# KiCad board psc_carrier_brd.kicad_pcb (continued)
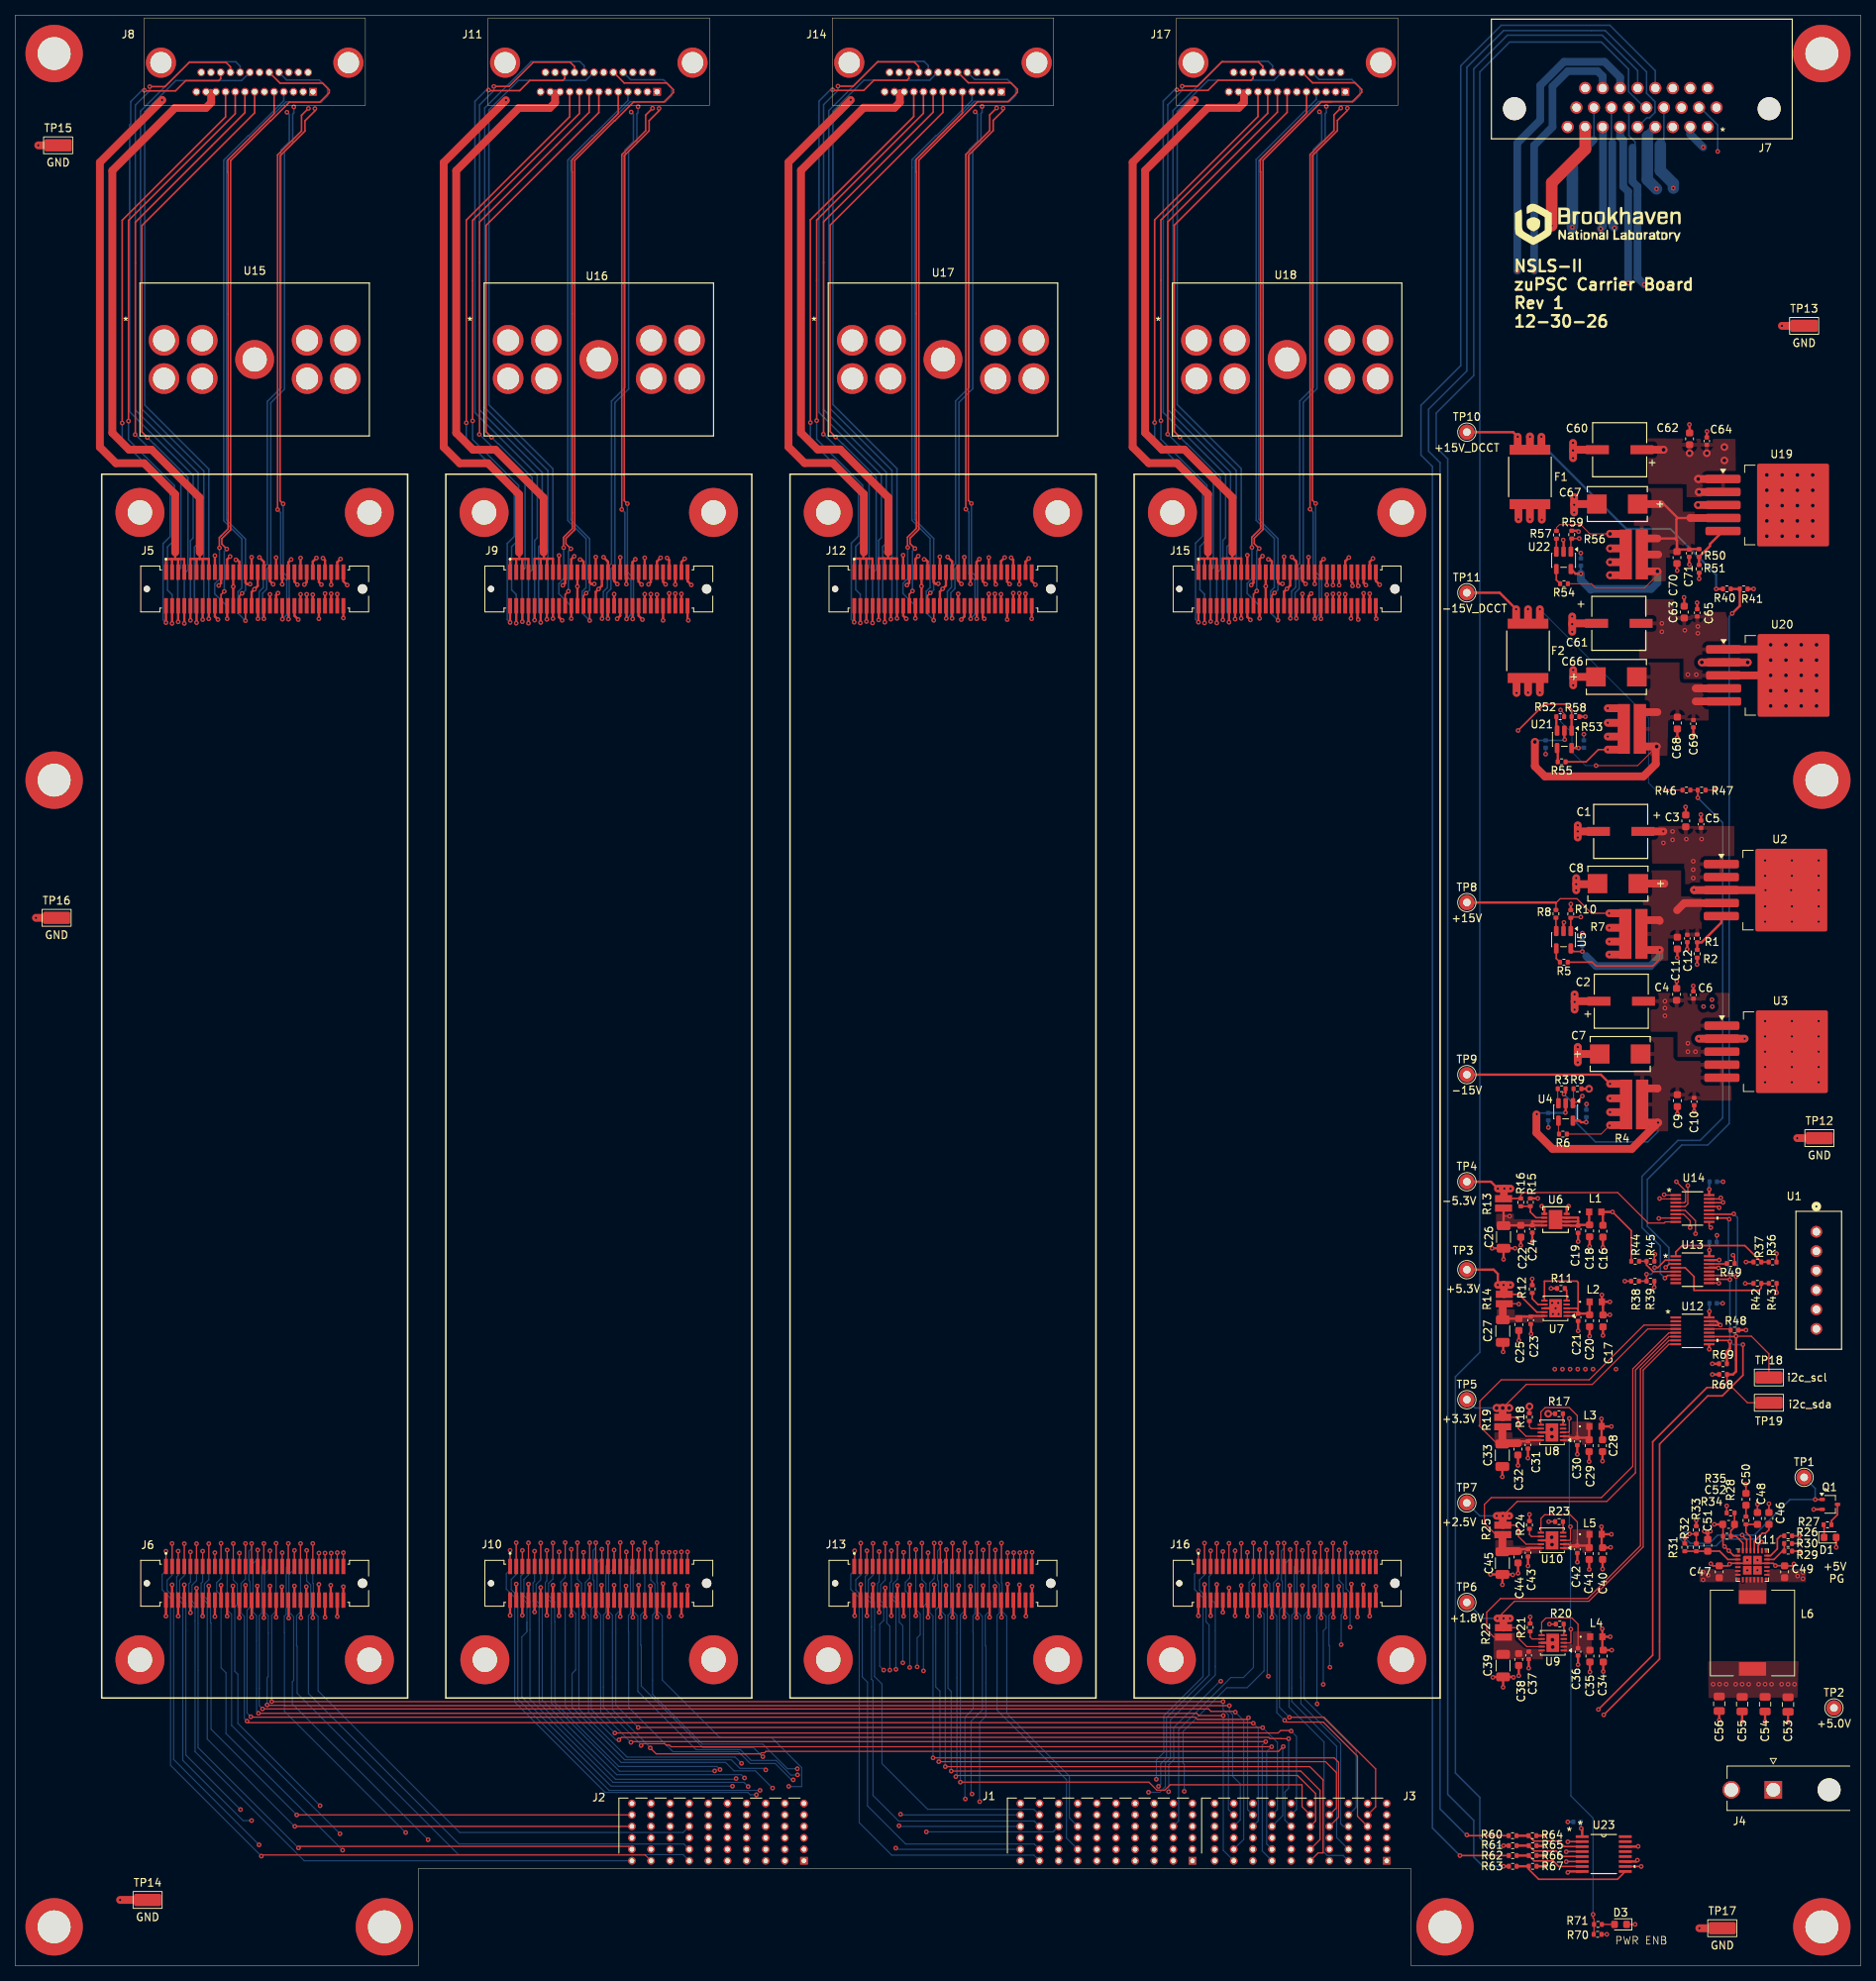
[diagram p0: board, top side]
## Library data of the parts (continued)
R7 R53 R56 = -: Datasheet: KRL6432E-M-R010-F-T1; Description: RES 0.01 OHM 3W 2512 WIDE; Cost: 0.71; MFG: Susumu; MFG_PN: KRL6432E-M-R010-F-T1; ki_fp_filters: RES_6432_SUS RES_6432_SUS-M RES_6432_SUS-L
R9 R10 R48 R49 R58 R59 = -: Description: RES SMD 4.99K OHM 1% 1/10W 0402; Tolerance: 1%; MFG: Panasonic; MFG_PN: ERJ-2RKF4991X; Cost: 0.01; ki_fp_filters: R_*
R11 R17 R20 R23 = -: Description: RES SMD 0 OHM JUMPER 1/10W 0402; Tolerance: 1%; MFG: Panasonic; MFG_PN: ERJ-2GE0R00X; Cost: 0.01; ki_fp_filters: R_*
R12 = -: Description: RES SMD 53.6K OHM 1% 1/10W 0402; Tolerance: 1%; MFG: Panasonic; MFG_PN: ERJ-2RKF5362X; Cost: 0.01; ki_fp_filters: R_*
R13 R14 R19 R22 R25 = -: Description: RES 0.22 OHM 1W 0805 WIDE; MFG: Susumu; MFG_PN: KRL2012E-M-R220-F-T5; Cost: 0.38
R18 = -: Description: RES SMD 33.2K OHM 1% 1/10W 0402; Tolerance: 1%; Cost: 0.01; MFG: Panasonic; MFG_PN: ERJ-2RKF3322X; ki_fp_filters: R_*
R21 = -: Description: RES SMD 18K OHM 1% 1/10W 0402; Tolerance: 1%; Cost: 0.01; MFG: Panasonic; MFG_PN: ERJ-2RKF1802X; ki_fp_filters: R_*
R24 = -: Description: RES SMD 24.9K OHM 1% 1/10W 0402; Tolerance: 1%; MFG: Panasonic; MFG_PN: ERJ-2RKF2492X; Cost: 0.01; ki_fp_filters: R_*
R26 = -: Description: RES SMD 41.2K OHM 1% 1/10W 0402; MFG_PN: ERJ-2RKF4122X; MFG: Panasonic; Cost: 0.01; ki_fp_filters: R_*
R27 = -: Description: RES SMD 1K OHM 1% 1/10W 0402; MFG: Panasonic; MFG_PN: ERJ-2RKF1001X; Cost: 0.01; ki_fp_filters: R_*
R28 = -: Description: RES SMD 8.45K OHM 1% 1/10W 0402; MFG_PN: ERJ-2RKF8451X; MFG: Panasonic; Cost: 0.01; ki_fp_filters: R_*
R29 R35 = -: Description: RES SMD 10.2K OHM 1% 1/10W 0402; MFG_PN: ERJ-2RKF1022X; MFG: Panasonic; Cost: 0.01; ki_fp_filters: R_*
R30 = -: Description: RES SMD 1.13K OHM 1% 1/10W 0402; MFG_PN: ERJ-2RKF1131X; MFG: Panasonic; Cost: 0.01; ki_fp_filters: R_*
R31 = -: Description: RES SMD 4.7K OHM 1% 1/10W 0402; MFG: Panasonic; MFG_PN: ERJ-2RKF4701X; Cost: 0.01; ki_fp_filters: R_*
R32 = -: Description: RES SMD 4.7K OHM 1% 1/10W 0402; ${DNP}: DNP; MFG: Panasonic; MFG_PN: ERJ-2RKF4701X; Cost: 0.01; ki_fp_filters: R_*
R33 = -: Description: RES SMD 0 OHM JUMPER 1/10W 0402; ${DNP}: DNP; MFG: Panasonic; MFG_PN: ERJ-2GE0R00X; Cost: 0.01; ki_fp_filters: R_*
R34 = -: Description: RES SMD 42.2K OHM 1% 1/10W 0402; MFG_PN: ERJ-2RKF4222X; MFG: Panasonic; Cost: 0.01; ki_fp_filters: R_*
R36 R38 R40 R43 R45 R47 = -: Description: RES SMD 9.09K OHM 1% 1/10W 0402; Tolerance: 1%; MFG: Panasonic; MFG_PN: ERJ-2RKF9091X; Cost: 0.01; ki_fp_filters: R_*
R42 R44 R46 = -: Description: RES SMD 9.53K OHM 1% 1/10W 0402; Tolerance: 1%; MFG: Panasonic; MFG_PN: ERJ-2RKF9531X; Cost: 0.01; ki_fp_filters: R_*
R60-R70 = -: Description: RES SMD 9.53K OHM 1% 1/10W 0402; Tolerance: 1%; MFG: Panasonic; MFG_PN: ERJ-2RKF1002X; Cost: 0.01; ki_fp_filters: R_*
R71 = -: Description: RES SMD 160 OHM 1% 1/10W 0402; Tolerance: 1%; Cost: 0.01; MFG: Panasonic; MFG_PN: ERJ-2RKF1600X; ki_fp_filters: R_*
TP1-TP11 = -: ${DNP}: DNP; MFG: N/A; MFG_PN: N/A; ki_fp_filters: Pin* Test*
TP12-TP19 = -: Description: PC TEST POINT NATURAL; MFG: TE; MFG_PN: RCS-0C; Cost: 0.23; ki_fp_filters: Pin* Test*
U1 = -: Datasheet: https://www.te.com/commerce/DocumentDelivery/DDEController?Action=srchrtrv&DocNm=108-1050&DocType=Specification+Or+Standard&DocLang=English&PartCntxt=2300173-1&DocFormat=pdf; Description: CONN HEADER VERT 6POS 2.54MM; Cost: 1.78; MFG: TE; ki_fp_filters: 3-641215-6_TYC
U2 U19 = -: Datasheet: https://www.analog.com/media/en/technical-documentation/data-sheets/1963aff.pdf; Description: IC REG LIN POS ADJ 1.5A DDPAK-5; Cost: 5.57; MFG: Analog Devices; MFG_PN: LT1963AEQ#TRPBF; ki_fp_filters: TO*263*
U3 U20 = -: Datasheet: https://www.analog.com/media/en/technical-documentation/data-sheets/3015fb.pdf; Description: IC REG LINEAR -15V 1.5A DDPAK-5; Cost: 6.46; MFG: Analog Devices; MFG_PN: LT3015EQ-15#PBF; ki_fp_filters: TO*263*
U4 U5 U21 U22 = -: Datasheet: https://www.analog.com/media/en/technical-documentation/data-sheets/6106fb.pdf; Description: IC CURR SENSE 1 CIRCUIT TSOT23-5; Cost: 2.01; MFG: Analog Devices; MFG_PN: LT6106CS5#TRMPBF; ki_fp_filters: SOT?23*
U6 = -: Description: IC REG LINEAR NEG ADJ 1.5A 8-DFN; VENDOR: Linear Technology; MANUFACTURER_PART_NUMBER: lt3015edd#pbf; Cost: 5.79; MFG: Analog Devices; MFG_PN: LT3015EDD#PBF
U7-U10 = -: Datasheet: https://www.analog.com/media/en/technical-documentation/data-sheets/3045fa.pdf; Description: IC REG LIN POS ADJ 500MA 10DFN; Cost: 6.06; MFG: Analog Devices; MFG_PN: LT3045EDD#TRPBF; ki_fp_filters: DFN*1EP*3x3mm*P0.5mm*
U11 = -: Datasheet: https://www.analog.com/media/en/technical-documentation/data-sheets/lt8640s-8643s.pdf; Description: IC REG BUCK ADJ 6A 24LQFN; Cost: 9.56; MFG: Analog Devices; MFG_PN: LT8643SEV#PBF
U12-U14 = -: Description: IC MONITOR OCTAL 16MSOP; VENDOR: Linear Technology; MANUFACTURER_PART_NUMBER: ltc2991cms#pbf; MFG: Analog Devices; MFG_PN: LTC2991CMS#TRPBF
U15-U18 = -: Description: Burden Resistor Daughterboard; MFG: BNL; MFG_PN: BNL
U23 = -: Datasheet: http://www.ti.com/lit/ds/symlink/cd4504b.pdf; Description: IC BUFFER NON-INVERT 6V 16-TSSOP; MFG: TI; MFG_PN: CD74HC4050PWR; Cost: 0.37; ki_fp_filters: DIP*W7.62mm* SOIC*3.9x9.9mm*P1.27mm* TSSOP*4.4x5mm*P0.65mm*

## Footprints (pads in the part's own frame, mm; a bottom-side part is the same pattern mirrored in y, then rotated)
3-641215-6_TYC
  round 1.524 hole 1.016: 1(0,0) 2(2.54,0) 3(5.08,0) 4(7.62,0) 5(10.16,0) 6(12.7,0)
0836149012
  rect 1.016x1.016 hole 0.711: 1(-7.62,0)
  round 1.016 hole 0.711: 2(-6.35,0) 3(-5.08,0) 4(-3.81,0) 5(-2.54,0) 6(-1.27,0) 7(0,0) 8(1.27,0) 9(2.54,0) 10(3.81,0) 11(5.08,0) 12(6.35,0) 13(7.62,0) 14(-6.985,-2.54) 15(-5.715,-2.54) 16(-4.445,-2.54) 17(-3.175,-2.54) 18(-1.905,-2.54) 19(-0.635,-2.54) 20(0.635,-2.54) 21(1.905,-2.54) 22(3.175,-2.54) 23(4.445,-2.54) 24(5.715,-2.54) 25(6.985,-2.54)
  round 3.937 hole 2.794: 26(12.255,-3.81) 27(-12.255,-3.81)
AMPHENOL_61083-061402LF
  round 0.83 hole 0.83 unplated: (-14.1,0)
  round 1.23 hole 1.23 unplated: (14.1,0)
  rect 0.5x2 smd: 1(-11.6,2.2) 2(-11.6,-2.2) 3(-10.8,2.2) 4(-10.8,-2.2) 5(-10,2.2) 6(-10,-2.2) 7(-9.2,2.2) 8(-9.2,-2.2) 9(-8.4,2.2) 10(-8.4,-2.2) 11(-7.6,2.2) 12(-7.6,-2.2) 13(-6.8,2.2) 14(-6.8,-2.2) 15(-6,2.2) 16(-6,-2.2) 17(-5.2,2.2) 18(-5.2,-2.2) 19(-4.4,2.2) 20(-4.4,-2.2) 21(-3.6,2.2) 22(-3.6,-2.2) 23(-2.8,2.2) 24(-2.8,-2.2) 25(-2,2.2) 26(-2,-2.2) 27(-1.2,2.2) 28(-1.2,-2.2) 29(-0.4,2.2) 30(-0.4,-2.2) 31(0.4,2.2) 32(0.4,-2.2) 33(1.2,2.2) 34(1.2,-2.2) 35(2,2.2) 36(2,-2.2) 37(2.8,2.2) 38(2.8,-2.2) 39(3.6,2.2) 40(3.6,-2.2) 41(4.4,2.2) 42(4.4,-2.2) 43(5.2,2.2) 44(5.2,-2.2) 45(6,2.2) 46(6,-2.2) 47(6.8,2.2) 48(6.8,-2.2) 49(7.6,2.2) 50(7.6,-2.2) 51(8.4,2.2) 52(8.4,-2.2) 53(9.2,2.2) 54(9.2,-2.2) 55(10,2.2) 56(10,-2.2) 57(10.8,2.2) 58(10.8,-2.2) 59(11.6,2.2) 60(11.6,-2.2)
burden
  round 4 hole 2.87: 1(-11.858,2.5) 2(-6.858,2.5) 3(6.858,2.5) 4(11.858,2.5) 5(-11.858,-2.5) 6(-6.858,-2.5) 7(6.858,-2.5) 8(11.858,-2.5)
  round 5.08 hole 3.175: 9(0,0)
C_0402_1005Metric
  rrect 0.56x0.62 smd: 1(-0.48,0) 2(0.48,0)
C_0603_1608Metric
  rrect 0.9x0.95 smd: 1(-0.775,0) 2(0.775,0)
C_0805_2012Metric
  rrect 1x1.45 smd: 1(-0.95,0) 2(0.95,0)
C_1206_3216Metric
  rrect 1.15x1.8 smd: 1(-1.475,0) 2(1.475,0)
CAP_EEFK_D8_PAN
  rect 2.997x1.168 smd: 1(-2.908,0) 2(2.908,0)
CAPMP7.6X4.3_4.3N_KEM
  rect 2.56x2.5 smd: 1(-2.672,0) 2(2.672,0)
COILCRAFT_MSS1048
  rect 3.56x1.78 smd: 1(0,4.7) 2(0,-4.7)
CONN_F15-26P135G0-5979_MOL
  round 2.997 hole 2.997 unplated: (-25.273,2.388) (8.026,2.388)
  round 1.6 hole 1.092: 1(0,0) 2(-2.286,0) 3(-4.572,0) 4(-6.858,0) 5(-9.169,0) 6(-11.455,0) 7(-13.741,0) 8(-16.027,0) 9(-18.313,0) 10(1.143,2.54) 11(-1.143,2.54) 12(-3.429,2.54) 13(-5.74,2.54) 14(-8.026,2.54) 15(-10.312,2.54) 16(-12.598,2.54) 17(-14.884,2.54) 18(-17.17,2.54) 19(0,5.08) 20(-2.286,5.08) 21(-4.572,5.08) 22(-6.858,5.08) 23(-9.169,5.08) 24(-11.455,5.08) 25(-13.741,5.08) 26(-16.027,5.08)
DFN-8_DD
  rect 0.787x0.305 smd: 1(-1.46,0.75) 2(-1.46,0.25) 3(-1.46,-0.25) 4(-1.46,-0.75) 5(1.46,-0.75) 6(1.46,-0.25) 7(1.46,0.25) 8(1.46,0.75)
  rect 1.753x2.489 smd: 9(0,0)
DFN-10-1EP_3x3mm_P0.5mm_EP1.65x2.38mm
  rrect 0.67x0.96 smd: (-0.41,0.595) (-0.41,-0.595) (0.41,0.595) (0.41,-0.595)
  rrect 0.85x0.25 smd: 1(-1.45,1) 2(-1.45,0.5) 3(-1.45,0) 4(-1.45,-0.5) 5(-1.45,-1) 6(1.45,-1) 7(1.45,-0.5) 8(1.45,0) 9(1.45,0.5) 10(1.45,1)
  rect 1.65x2.38 smd: 11(0,0)
FUSE_SMDC300F&slash_24-2_LTF
  rect 1.295x5.309 smd: 1(-3.556,0) 2(3.556,0)
IND_LSMG_160808_TAY
  rect 0.813x0.889 smd: 1(-0.8,0) 2(0.8,0)
LED_0603_1608Metric
  rrect 0.875x0.95 smd: 1(-0.787,0) 2(0.787,0)
MOLEX_39301022
  round 3 hole 3 unplated: (0,-7.3)
  rect 2.3x2.3 hole 1.8: 1(0,0)
  round 2.3 hole 1.8: 2(0,5.5)
MountingHole_3.2mm_M3_Pad_TopBottom
  round 3.6 hole 3.2: 1(0,0)
  round 6.4 smd: 1(0,0)
  round 6.4 smd far side: 1(0,0)
MountingHole_4.3mm_M4_DIN965_Pad
  round 7.5 hole 4.3: 1(0,0)
MSOP-16_MS
  rect 1.397x0.279 smd: 1(-2.184,1.751) 2(-2.184,1.251) 3(-2.184,0.751) 4(-2.184,0.25) 5(-2.184,-0.25) 6(-2.184,-0.751) 7(-2.184,-1.251) 8(-2.184,-1.751) 9(2.184,-1.751) 10(2.184,-1.251) 11(2.184,-0.751) 12(2.184,-0.25) 13(2.184,0.25) 14(2.184,0.751) 15(2.184,1.251) 16(2.184,1.751)
PW16
  rect 1.676x0.356 smd: 1(-2.819,2.275) 2(-2.819,1.625) 3(-2.819,0.975) 4(-2.819,0.325) 5(-2.819,-0.325) 6(-2.819,-0.975) 7(-2.819,-1.625) 8(-2.819,-2.275) 9(2.819,-2.275) 10(2.819,-1.625) 11(2.819,-0.975) 12(2.819,-0.325) 13(2.819,0.325) 14(2.819,0.975) 15(2.819,1.625) 16(2.819,2.275)
QFN-24-4EP_4x4mm_P0.5mm_EP1.125x1.125mm
  rect 0.375x0.375 smd: (-1.812,1.812) (-1.812,-1.812) (1.812,1.812) (1.812,-1.812)
  rect 0.7x0.25 smd: 1(-1.9,1.25) 2(-1.9,0.75) 3(-1.9,0.25) 4(-1.9,-0.25) 5(-1.9,-0.75) 6(-1.9,-1.25) 13(1.9,-1.25) 14(1.9,-0.75) 15(1.9,-0.25) 16(1.9,0.25) 17(1.9,0.75) 18(1.9,1.25)
  rect 0.25x0.7 smd: 7(-1.25,-1.9) 8(-0.75,-1.9) 9(-0.25,-1.9) 10(0.25,-1.9) 11(0.75,-1.9) 12(1.25,-1.9) 19(1.25,1.9) 20(0.75,1.9) 21(0.25,1.9) 22(-0.25,1.9) 23(-0.75,1.9) 24(-1.25,1.9)
  rrect 1.125x1.125 smd: 25(-0.662,0.662)
  rect 1.125x1.125 smd: 26(0.662,0.662) 27(-0.662,-0.662) 28(0.662,-0.662)
R_0402_1005Metric
  rrect 0.54x0.64 smd: 1(-0.51,0) 2(0.51,0)
RES_6432_SUS
  rect 1.603x6.5 smd: 1(-1.052,0) 2(1.052,0)
RESC1220X70N
  rect 0.94x2.22 smd: 1(-0.615,0) 2(0.615,0)
SOT-23-5
  rrect 1.325x0.6 smd: 1(-1.137,0.95) 2(-1.137,0) 3(-1.137,-0.95) 4(1.137,-0.95) 5(1.137,0.95)
SOT-323_SC-70
  rrect 0.7x0.45 smd: 1(-1,0.65) 2(-1,-0.65) 3(1,0)
TE_6469028-1
  rect 1x1 hole 0.61: A1(0,0)
  round 1 hole 0.61: A2(-2.5,0) A3(-5,0) A4(-7.5,0) A5(-10,0) A6(-12.5,0) A7(-15,0) A8(-17.5,0) A9(-20,0) A10(-22.5,0) B1(0,1.5) B2(-2.5,1.5) B3(-5,1.5) B4(-7.5,1.5) B5(-10,1.5) B6(-12.5,1.5) B7(-15,1.5) B8(-17.5,1.5) B9(-20,1.5) B10(-22.5,1.5) BG1(0,3) BG2(-2.5,3) BG3(-5,3) BG4(-7.5,3) BG5(-10,3) BG6(-12.5,3) BG7(-15,3) BG8(-17.5,3) BG9(-20,3) BG10(-22.5,3) C1(0,4.5) C2(-2.5,4.5) C3(-5,4.5) C4(-7.5,4.5) C5(-10,4.5) C6(-12.5,4.5) C7(-15,4.5) C8(-17.5,4.5) C9(-20,4.5) C10(-22.5,4.5) D1(0,6) D2(-2.5,6) D3(-5,6) D4(-7.5,6) D5(-10,6) D6(-12.5,6) D7(-15,6) D8(-17.5,6) D9(-20,6) D10(-22.5,6) DG1(0,7.5) DG2(-2.5,7.5) DG3(-5,7.5) DG4(-7.5,7.5) DG5(-10,7.5) DG6(-12.5,7.5) DG7(-15,7.5) DG8(-17.5,7.5) DG9(-20,7.5) DG10(-22.5,7.5)
TestPoint_RCS-0C
  rrect 3.55x1.6 smd: 1(0,0)
TestPoint_THTPad_D2.0mm_Drill1.0mm
  round 2 hole 1: 1(0,0)
TO-263-5_TabPin3
  rrect 4.55x5.25 smd: (-0.925,2.775) (-0.925,-2.775) (3.925,2.775) (3.925,-2.775)
  rrect 4.6x1.1 smd: 1(-7.65,3.4) 2(-7.65,1.7) 3(-7.65,0) 4(-7.65,-1.7) 5(-7.65,-3.4)
  rrect 9.4x10.8 smd: 3(1.5,0)

## Nets
+1.8V: J6.6 J6.8 J6.10 J10.6 J10.8 J10.10 J13.6 J13.8 J13.10 J16.6 J16.8 J16.10 R22.2 TP6.1 U9.9 U12.8
+2.5V: J6.56 J6.58 J6.60 J10.56 J10.58 J10.60 J13.56 J13.58 J13.60 J16.56 J16.58 J16.60 R25.2 TP7.1 U10.9 U12.6
+3.3V: C57.1 C58.1 C59.1 C75.1 J6.22 J6.24 J6.26 J10.22 J10.24 J10.26 J13.22 J13.24 J13.26 J16.22 J16.24 J16.26 R19.2 R48.1 R49.1 R68.1 R69.1 TP5.1 U8.9 U12.4 U12.16 U13.16 U14.16 U23.1
+5.0V: C14.1 C28.1 C34.1 C40.1 C52.1 C53.1 C54.1 C55.1 C56.1 C73.1 J4.1 J6.42 J6.44 J6.46 J10.42 J10.44 J10.46 J13.42 J13.44 J13.46 J16.42 J16.44 J16.46 L3.2 L4.2 L5.2 L6.2 R34.1 TP2.1 U4.5 U11.1 U21.5
+5.3V: J5.43 J5.45 J9.43 J9.45 J12.43 J12.45 J15.43 J15.45 R14.2 TP3.1 U7.9 U14.6
+15V: C17.1 J5.27 J5.29 J9.27 J9.29 J12.27 J12.29 J15.27 J15.29 L2.2 R7.1 R8.1 R38.1 TP8.1
+15V_DCCT: F1.2 J7.1 J7.9 R40.1 TP10.1
+18V: C1.1 C3.1 C5.1 C47.1 C49.1 C60.1 C62.1 C64.1 D1.2 R29.1 R36.1 R43.2 R45.2 R47.2 U1.1 U2.1 U2.2 U11.5 U11.6 U11.13 U11.14 U19.1 U19.2
-5.3V: J5.51 J5.53 J9.51 J9.53 J12.51 J12.53 J15.51 J15.53 R13.2 R15.1 TP4.1 U14.8
-15V: C16.1 J5.35 J5.37 J9.35 J9.37 J12.35 J12.37 J15.35 J15.37 L1.2 R4.1 R6.1 R44.1 TP9.1
-15V_DCCT: F2.2 J7.19 J7.26 R46.1 TP11.1
-18V: C2.2 C4.1 C6.1 C61.2 C63.1 C65.1 R42.1 U1.3 U3.1 U3.3 U20.1 U20.3
/regulators/+1.8V regulator/Vin_1.8v: C35.1 C36.1 L4.1 U9.1 U9.2 U9.6
/regulators/+2.5V regulator/Vin_2.5v: C41.1 C42.1 L5.1 U10.1 U10.2 U10.6
/regulators/+3.3V regulator/Vin_3.3v: C29.1 C30.1 L3.1 U8.1 U8.2 U8.6
/regulators/+5VA regulator/+5.3Vout: C23.1 C25.1 C27.1 R14.1 U7.10 U14.5
/regulators/+5VA regulator/+15Vin: C20.1 C21.1 L2.1 U7.1 U7.2 U7.3 U7.6
/regulators/+5VA regulator/-5.3Vout: C22.1 C24.1 C26.1 R13.1 U6.7 U6.8 U14.7
/regulators/+5VA regulator/-15Vin: C18.1 C19.1 L1.1 U6.1 U6.2 U6.3 U6.9
/regulators/+5VD regulator/+5vrego: L6.1 U11.8 U11.9 U11.10 U11.11 U11.12
/regulators/+15v -15v DCCT Regulators/+15V_DCCT_REG: C67.1 C70.1 C71.1 C74.1 R50.1 R54.1 R56.1 U19.4 U22.5
/regulators/+15v -15v DCCT Regulators/+15V_DCCT_uf: F1.1 R56.2 R57.1
/regulators/+15v -15v DCCT Regulators/-15V_DCCT_REG: C66.2 C68.1 C69.1 C72.1 R52.1 R53.2 U20.4 U20.5 U21.2
/regulators/+15v -15v DCCT Regulators/-15V_DCCT_uf: F2.1 R53.1 R55.1
/regulators/+15v -15v PSC Regulators/+15V_PSC_REG: C8.1 C11.1 C12.1 C15.1 R1.1 R5.1 R7.2 U2.4 U5.5
/regulators/+15v -15v PSC Regulators/-15V_PSC_REG: C7.2 C9.1 C10.1 C13.1 R3.1 R4.2 U3.4 U3.5 U4.2
GND: C1.2 C2.1 C3.2 C4.2 C5.2 C6.2 C7.1 C8.2 C9.2 C10.2 C11.2 C12.2 C13.2 C14.2 C15.2 C16.2 C17.2 C18.2 C19.2 C20.2 C21.2 C22.2 C23.2 C24.2 C25.2 C26.2 C27.2 C28.2 C29.2 C30.2 C31.2 C32.2 C33.2 C34.2 C35.2 C36.2 C37.2 C38.2 C39.2 C40.2 C41.2 C42.2 C43.2 C44.2 C45.2 C46.2 C47.2 C48.2 C49.2 C50.2 C51.2 C53.2 C54.2 C55.2 C56.2 C57.2 C58.2 C59.2 C60.2 C61.1 C62.2 C63.2 C64.2 C65.2 C66.1 C67.2 C68.2 C69.2 C70.2 C71.2 C72.2 C73.2 C74.2 C75.2 D3.1 J1.BG1 J1.BG2 J1.BG3 J1.BG4 J1.BG5 J1.BG6 J1.BG7 J1.BG8 J1.BG9 J1.BG10 J1.DG1 J1.DG2 J1.DG3 J1.DG4 J1.DG5 J1.DG6 J1.DG7 J1.DG8 J1.DG9 J1.DG10 J2.BG1 J2.BG2 J2.BG3 J2.BG4 J2.BG5 J2.BG6 J2.BG7 J2.BG8 J2.BG9 J2.BG10 J2.DG1 J2.DG2 J2.DG3 J2.DG4 J2.DG5 J2.DG6 J2.DG7 J2.DG8 J2.DG9 J2.DG10 J3.BG1 J3.BG2 J3.BG3 J3.BG4 J3.BG5 J3.BG6 J3.BG7 J3.BG8 J3.BG9 J3.BG10 J3.DG1 J3.DG2 J3.DG3 J3.DG4 J3.DG5 J3.DG6 J3.DG7 J3.DG8 J3.DG9 J3.DG10 J4.2 J5.17 J5.18 J5.19 J5.21 J5.23 J5.24 J5.25 J5.30 J5.31 J5.33 J5.36 J5.38 J5.39 J5.41 J5.44 J5.46 J5.47 J5.49 J5.52 J5.54 J5.55 J5.57 J5.59 J5.60 J6.2 J6.4 J6.12 J6.14 J6.16 J6.17 J6.18 J6.20 J6.25 J6.28 J6.30 J6.32 J6.34 J6.36 J6.38 J6.39 J6.40 J6.48 J6.50 J6.51 J6.52 J6.53 J6.54 J6.55 J6.57 J6.59 J7.10 J7.18 J9.17 J9.18 J9.19 J9.21 J9.23 J9.24 J9.25 J9.30 J9.31 J9.33 J9.36 J9.38 J9.39 J9.41 J9.44 J9.46 J9.47 J9.49 J9.52 J9.54 J9.55 J9.57 J9.59 J9.60 J10.2 J10.4 J10.12 J10.14 J10.16 J10.17 J10.18 J10.20 J10.25 J10.28 J10.30 J10.32 J10.34 J10.36 J10.38 J10.39 J10.40 J10.48 J10.50 J10.51 J10.52 J10.53 J10.54 J10.55 J10.57 J10.59 J12.17 J12.18 J12.19 J12.21 J12.23 J12.24 J12.25 J12.30 J12.31 J12.33 J12.36 J12.38 J12.39 J12.41 J12.44 J12.46 J12.47 J12.49 J12.52 J12.54 J12.55 J12.57 J12.59 J12.60 J13.2 J13.4 J13.12 J13.14 J13.16 J13.17 J13.18 J13.20 J13.25 J13.28 J13.30 J13.32 J13.34 J13.36 J13.38 J13.39 J13.40 J13.48 J13.50 J13.51 J13.52 J13.53 J13.54 J13.55 J13.57 J13.59 J15.17 J15.18 J15.19 J15.21 J15.23 J15.24 J15.25 J15.30 J15.31 J15.33 J15.36 J15.38 J15.39 J15.41 J15.44 J15.46 J15.47 J15.49 J15.52 J15.54 J15.55 J15.57 J15.59 J15.60 J16.2 J16.4 J16.12 J16.14 J16.16 J16.17 J16.18 J16.20 J16.25 J16.28 J16.30 J16.32 J16.34 J16.36 J16.38 J16.39 J16.40 J16.48 J16.50 J16.51 J16.52 J16.53 J16.54 J16.55 J16.57 J16.59 MT1.1 MT2.1 MT3.1 MT4.1 MT5.1 MT6.1 MT7.1 MT8.1 MT9.1 MT10.1 MT11.1 MT12.1 MT13.1 MT14.1 MT15.1 MT16.1 MT17.1 MT18.1 MT19.1 MT20.1 MT21.1 MT22.1 MT23.1 MT24.1 Q1.2 R2.2 R9.2 R10.2 R11.2 R12.2 R16.2 R17.2 R18.2 R20.2 R21.2 R23.2 R24.2 R26.2 R30.2 R32.2 R35.2 R37.2 R39.2 R41.2 R51.2 R58.2 R59.2 R64.2 R65.2 R66.2 R67.2 R70.2 TP12.1 TP13.1 TP14.1 TP15.1 TP16.1 TP17.1 U1.2 U1.4 U1.5 U1.6 U2.3 U3.2 U5.2 U6.4 U6.5 U7.8 U7.11 U8.8 U8.11 U9.8 U9.11 U10.8 U10.11 U11.3 U11.16 U11.25 U11.26 U11.27 U11.28 U12.9 U12.14 U12.15 U13.9 U13.13 U13.15 U14.9 U14.13 U14.14 U14.15 U19.3 U20.2 U22.2 U23.8 U23.11 U23.14
/Ch1 Burden Resistor/Iin0.dcct+: J7.2 U15.1
/Ch1 Burden Resistor/Iin0.dcct-: J7.11 U15.4
/Ch1 Burden Resistor/Iin1.dcct+: J7.3 U15.5
/Ch1 Burden Resistor/Iin1.dcct-: J7.12 U15.8
/Ch1 Burden Resistor/Vout0.dcct+: J5.48 U15.2
/Ch1 Burden Resistor/Vout0.dcct-: J5.50 U15.3
/Ch1 Burden Resistor/Vout1.dcct+: J5.56 U15.6
/Ch1 Burden Resistor/Vout1.dcct-: J5.58 U15.7
/Ch1 Daughterboard/dac.sclk: J2.A8 J6.19
/Ch1 Daughterboard/dac.sdin: J2.B8 J6.21
/Ch1 Daughterboard/dac.syncn: J2.C8 J6.23
/Ch1 Daughterboard/dcct.busy: J2.D6 J6.43
/Ch1 Daughterboard/dcct.cnv: J2.C6 J6.41
/Ch1 Daughterboard/dcct.sck: J2.A7 J6.45
/Ch1 Daughterboard/dcct.sdo0: J2.B7 J6.47
/Ch1 Daughterboard/dcct.sdo1: J2.C7 J6.49
/Ch1 Daughterboard/digin.acon: J5.16 J8.20
/Ch1 Daughterboard/digin.flt1: J5.14 J8.21
/Ch1 Daughterboard/digin.flt2: J5.12 J8.22
/Ch1 Daughterboard/digin.rtn: J5.1 J5.3 J5.5 J5.7 J8.24 J8.25
/Ch1 Daughterboard/digin.spare: J5.10 J8.23
/Ch1 Daughterboard/digio.in0: J2.A10 J6.9
/Ch1 Daughterboard/digio.in1: J2.B10 J6.11
/Ch1 Daughterboard/digio.in2: J2.C10 J6.13
/Ch1 Daughterboard/digio.in3: J2.D10 J6.15
/Ch1 Daughterboard/digio.out0: J2.A9 J6.1
/Ch1 Daughterboard/digio.out1: J2.B9 J6.3
/Ch1 Daughterboard/digio.out2: J2.C9 J6.5
/Ch1 Daughterboard/digio.out3: J2.D9 J6.7
/Ch1 Daughterboard/digout.on1: J5.8 J8.7
/Ch1 Daughterboard/digout.on2: J5.6 J8.8
/Ch1 Daughterboard/digout.reset: J5.4 J8.9
/Ch1 Daughterboard/digout.rtn: J5.9 J5.11 J5.13 J5.15 J8.11 J8.12
/Ch1 Daughterboard/digout.spare: J5.2 J8.10
/Ch1 Daughterboard/mon.busy: J3.A9 J6.31
/Ch1 Daughterboard/mon.cnvrt: J3.D8 J6.29
/Ch1 Daughterboard/mon.fs: J3.B9 J6.33
/Ch1 Daughterboard/mon.reset: J3.C8 J6.27
/Ch1 Daughterboard/mon.sclk: J3.D9 J6.37
/Ch1 Daughterboard/mon.sdo: J3.C9 J6.35
/Ch1 Daughterboard/ps.ignd+: J5.28 J8.4
/Ch1 Daughterboard/ps.ignd-: J5.26 J8.17
/Ch1 Daughterboard/ps.spare+: J5.22 J8.5
/Ch1 Daughterboard/ps.spare-: J5.20 J8.18
/Ch1 Daughterboard/ps.vout+: J5.34 J8.3
/Ch1 Daughterboard/ps.vout-: J5.32 J8.16
/Ch1 Daughterboard/reg.out+: J5.42 J8.1
/Ch1 Daughterboard/reg.out-: J5.40 J8.14
/Ch2 Burden Resistor/Iin0.dcct+: J7.4 U16.1
/Ch2 Burden Resistor/Iin0.dcct-: J7.13 U16.4
/Ch2 Burden Resistor/Iin1.dcct+: J7.20 U16.5
/Ch2 Burden Resistor/Iin1.dcct-: J7.21 U16.8
/Ch2 Burden Resistor/Vout0.dcct+: J9.48 U16.2
/Ch2 Burden Resistor/Vout0.dcct-: J9.50 U16.3
/Ch2 Burden Resistor/Vout1.dcct+: J9.56 U16.6
/Ch2 Burden Resistor/Vout1.dcct-: J9.58 U16.7
/Ch2 Daughterboard/dac.sclk: J2.C2 J10.19
/Ch2 Daughterboard/dac.sdin: J2.D2 J10.21
/Ch2 Daughterboard/dac.syncn: J2.A3 J10.23
/Ch2 Daughterboard/dcct.busy: J2.B1 J10.43
/Ch2 Daughterboard/dcct.cnv: J2.A1 J10.41
/Ch2 Daughterboard/dcct.sck: J2.C1 J10.45
/Ch2 Daughterboard/dcct.sdo0: J2.D1 J10.47
/Ch2 Daughterboard/dcct.sdo1: J2.A2 J10.49
/Ch2 Daughterboard/digin.acon: J9.16 J11.20
/Ch2 Daughterboard/digin.flt1: J9.14 J11.21
/Ch2 Daughterboard/digin.flt2: J9.12 J11.22
/Ch2 Daughterboard/digin.rtn: J9.1 J9.3 J9.5 J9.7 J11.24 J11.25
/Ch2 Daughterboard/digin.spare: J9.10 J11.23
/Ch2 Daughterboard/digio.in0: J2.C4 J10.9
/Ch2 Daughterboard/digio.in1: J2.D4 J10.11
/Ch2 Daughterboard/digio.in2: J2.A5 J10.13
/Ch2 Daughterboard/digio.in3: J2.B5 J10.15
/Ch2 Daughterboard/digio.out0: J2.C3 J10.1
/Ch2 Daughterboard/digio.out1: J2.D3 J10.3
/Ch2 Daughterboard/digio.out2: J2.A4 J10.5
/Ch2 Daughterboard/digio.out3: J2.B4 J10.7
/Ch2 Daughterboard/digout.on1: J9.8 J11.7
/Ch2 Daughterboard/digout.on2: J9.6 J11.8
/Ch2 Daughterboard/digout.reset: J9.4 J11.9
/Ch2 Daughterboard/digout.rtn: J9.9 J9.11 J9.13 J9.15 J11.11 J11.12
/Ch2 Daughterboard/digout.spare: J9.2 J11.10
/Ch2 Daughterboard/mon.busy: J3.A7 J10.31
/Ch2 Daughterboard/mon.cnvrt: J3.D6 J10.29
/Ch2 Daughterboard/mon.fs: J3.B7 J10.33
/Ch2 Daughterboard/mon.reset: J3.C6 J10.27
/Ch2 Daughterboard/mon.sclk: J3.D7 J10.37
/Ch2 Daughterboard/mon.sdo: J3.C7 J10.35
/Ch2 Daughterboard/ps.ignd+: J9.28 J11.4
/Ch2 Daughterboard/ps.ignd-: J9.26 J11.17
/Ch2 Daughterboard/ps.spare+: J9.22 J11.5
/Ch2 Daughterboard/ps.spare-: J9.20 J11.18
/Ch2 Daughterboard/ps.vout+: J9.34 J11.3
/Ch2 Daughterboard/ps.vout-: J9.32 J11.16
/Ch2 Daughterboard/reg.out+: J9.42 J11.1
/Ch2 Daughterboard/reg.out-: J9.40 J11.14
/Ch3 Burden Resistor/Iin0.dcct+: J7.8 U17.1
/Ch3 Burden Resistor/Iin0.dcct-: J7.17 U17.4
/Ch3 Burden Resistor/Iin1.dcct+: J7.7 U17.5
/Ch3 Burden Resistor/Iin1.dcct-: J7.16 U17.8
/Ch3 Burden Resistor/Vout0.dcct+: J12.48 U17.2
/Ch3 Burden Resistor/Vout0.dcct-: J12.50 U17.3
/Ch3 Burden Resistor/Vout1.dcct+: J12.56 U17.6
/Ch3 Burden Resistor/Vout1.dcct-: J12.58 U17.7
/Ch3 Daughterboard/dac.sclk: J1.A8 J13.19
/Ch3 Daughterboard/dac.sdin: J1.B8 J13.21
/Ch3 Daughterboard/dac.syncn: J1.C8 J13.23
/Ch3 Daughterboard/dcct.busy: J1.D6 J13.43
/Ch3 Daughterboard/dcct.cnv: J1.C6 J13.41
/Ch3 Daughterboard/dcct.sck: J1.A7 J13.45
/Ch3 Daughterboard/dcct.sdo0: J1.B7 J13.47
/Ch3 Daughterboard/dcct.sdo1: J1.C7 J13.49
/Ch3 Daughterboard/digin.acon: J12.16 J14.20
/Ch3 Daughterboard/digin.flt1: J12.14 J14.21
/Ch3 Daughterboard/digin.flt2: J12.12 J14.22
/Ch3 Daughterboard/digin.rtn: J12.1 J12.3 J12.5 J12.7 J14.24 J14.25
/Ch3 Daughterboard/digin.spare: J12.10 J14.23
/Ch3 Daughterboard/digio.in0: J1.A10 J13.9
/Ch3 Daughterboard/digio.in1: J1.B10 J13.11
/Ch3 Daughterboard/digio.in2: J1.C10 J13.13
/Ch3 Daughterboard/digio.in3: J1.D10 J13.15
/Ch3 Daughterboard/digio.out0: J1.A9 J13.1
/Ch3 Daughterboard/digio.out1: J1.B9 J13.3
/Ch3 Daughterboard/digio.out2: J1.C9 J13.5
/Ch3 Daughterboard/digio.out3: J1.D9 J13.7
/Ch3 Daughterboard/digout.on1: J12.8 J14.7
/Ch3 Daughterboard/digout.on2: J12.6 J14.8
/Ch3 Daughterboard/digout.reset: J12.4 J14.9
/Ch3 Daughterboard/digout.rtn: J12.9 J12.11 J12.13 J12.15 J14.11 J14.12
/Ch3 Daughterboard/digout.spare: J12.2 J14.10
/Ch3 Daughterboard/mon.busy: J3.A5 J13.31
/Ch3 Daughterboard/mon.cnvrt: J3.D4 J13.29
/Ch3 Daughterboard/mon.fs: J3.B5 J13.33
/Ch3 Daughterboard/mon.reset: J3.C4 J13.27
/Ch3 Daughterboard/mon.sclk: J3.D5 J13.37
/Ch3 Daughterboard/mon.sdo: J3.C5 J13.35
/Ch3 Daughterboard/ps.ignd+: J12.28 J14.4
/Ch3 Daughterboard/ps.ignd-: J12.26 J14.17
/Ch3 Daughterboard/ps.spare+: J12.22 J14.5
/Ch3 Daughterboard/ps.spare-: J12.20 J14.18
/Ch3 Daughterboard/ps.vout+: J12.34 J14.3
/Ch3 Daughterboard/ps.vout-: J12.32 J14.16
/Ch3 Daughterboard/reg.out+: J12.42 J14.1
/Ch3 Daughterboard/reg.out-: J12.40 J14.14
/Ch4 Burden Resistor/Iin0.dcct+: J7.6 U18.1
/Ch4 Burden Resistor/Iin0.dcct-: J7.15 U18.4
/Ch4 Burden Resistor/Iin1.dcct+: J7.24 U18.5
/Ch4 Burden Resistor/Iin1.dcct-: J7.25 U18.8
/Ch4 Burden Resistor/Vout0.dcct+: J15.48 U18.2
/Ch4 Burden Resistor/Vout0.dcct-: J15.50 U18.3
/Ch4 Burden Resistor/Vout1.dcct+: J15.56 U18.6
/Ch4 Burden Resistor/Vout1.dcct-: J15.58 U18.7
/Ch4 Daughterboard/dac.sclk: J1.C2 J16.19
/Ch4 Daughterboard/dac.sdin: J1.D2 J16.21
/Ch4 Daughterboard/dac.syncn: J1.A3 J16.23
/Ch4 Daughterboard/dcct.busy: J1.B1 J16.43
/Ch4 Daughterboard/dcct.cnv: J1.A1 J16.41
/Ch4 Daughterboard/dcct.sck: J1.C1 J16.45
/Ch4 Daughterboard/dcct.sdo0: J1.D1 J16.47
/Ch4 Daughterboard/dcct.sdo1: J1.A2 J16.49
/Ch4 Daughterboard/digin.acon: J15.16 J17.20
/Ch4 Daughterboard/digin.flt1: J15.14 J17.21
/Ch4 Daughterboard/digin.flt2: J15.12 J17.22
/Ch4 Daughterboard/digin.rtn: J15.1 J15.3 J15.5 J15.7 J17.24 J17.25
/Ch4 Daughterboard/digin.spare: J15.10 J17.23
/Ch4 Daughterboard/digio.in0: J1.C4 J16.9
/Ch4 Daughterboard/digio.in1: J1.D4 J16.11
/Ch4 Daughterboard/digio.in2: J1.A5 J16.13
/Ch4 Daughterboard/digio.in3: J1.B5 J16.15
/Ch4 Daughterboard/digio.out0: J1.C3 J16.1
/Ch4 Daughterboard/digio.out1: J1.D3 J16.3
/Ch4 Daughterboard/digio.out2: J1.A4 J16.5
/Ch4 Daughterboard/digio.out3: J1.B4 J16.7
/Ch4 Daughterboard/digout.on1: J15.8 J17.7
/Ch4 Daughterboard/digout.on2: J15.6 J17.8
/Ch4 Daughterboard/digout.reset: J15.4 J17.9
/Ch4 Daughterboard/digout.rtn: J15.9 J15.11 J15.13 J15.15 J17.11 J17.12
/Ch4 Daughterboard/digout.spare: J15.2 J17.10
/Ch4 Daughterboard/mon.busy: J3.A3 J16.31
/Ch4 Daughterboard/mon.cnvrt: J3.D2 J16.29
/Ch4 Daughterboard/mon.fs: J3.B3 J16.33
/Ch4 Daughterboard/mon.reset: J3.C2 J16.27
/Ch4 Daughterboard/mon.sclk: J3.D3 J16.37
/Ch4 Daughterboard/mon.sdo: J3.C3 J16.35
/Ch4 Daughterboard/ps.ignd+: J15.28 J17.4
/Ch4 Daughterboard/ps.ignd-: J15.26 J17.17
/Ch4 Daughterboard/ps.spare+: J15.22 J17.5
/Ch4 Daughterboard/ps.spare-: J15.20 J17.18
/Ch4 Daughterboard/ps.vout+: J15.34 J17.3
/Ch4 Daughterboard/ps.vout-: J15.32 J17.16
/Ch4 Daughterboard/reg.out+: J15.42 J17.1
/Ch4 Daughterboard/reg.out-: J15.40 J17.14
/DCCT Fault Logic/dcct_flt.12: J7.5 R60.1
/DCCT Fault Logic/dcct_flt.34: J7.14 R61.1
/DCCT Fault Logic/dcct_flt.56: J7.22 R62.1
/DCCT Fault Logic/dcct_flt.78: J7.23 R63.1
/DCCT Fault Logic/dcct_flt_buf.12: J3.A1 U23.2
/DCCT Fault Logic/dcct_flt_buf.34: J3.B1 U23.4
/DCCT Fault Logic/dcct_flt_buf.56: J3.C1 U23.6
/DCCT Fault Logic/dcct_flt_buf.78: J3.D1 U23.10
/regulators/+1.8V regulator/imon_hi: C37.1 C38.1 C39.1 R22.1 U9.10 U12.7
/regulators/+2.5V regulator/imon_hi: C43.1 C44.1 C45.1 R25.1 U10.10 U12.5
/regulators/+3.3V regulator/imon_hi: C31.1 C32.1 C33.1 R19.1 U8.10 U12.3
/regulators/+15v -15v DCCT Regulators/isense_+15v: R59.1 U14.1 U22.1
/regulators/+15v -15v DCCT Regulators/isense_-15v: R58.1 U14.2 U21.1
/regulators/+15v -15v PSC Regulators/isense_+15v: R10.1 U5.1 U14.3
/regulators/+15v -15v PSC Regulators/isense_-15v: R9.1 U4.1 U14.4
/regulators/enb: J3.B10 R70.1 R71.1 U8.3 U9.3 U10.3
/regulators/i2c_scl: J3.D10 R68.2 TP18.1 U12.11 U13.11 U14.11
/regulators/i2c_sda: J3.C10 R69.2 TP19.1 U12.10 U13.10 U14.10
Net-(C50-Pad1): C50.1 R28.2
Net-(D1-K): D1.1 R27.1
Net-(D3-A): D3.2 R71.2
Net-(Q1-D): Q1.3 R27.2
Net-(Q1-G): Q1.1 R31.1 TP1.1 U11.23
Net-(U2-ADJ): R1.2 R2.1 U2.5
Net-(U4-+): R6.2 U4.4
Net-(U4--): R3.2 U4.3
Net-(U5-+): R5.2 U5.4
Net-(U5--): R8.2 U5.3
Net-(U6-SENSE/ADJ): R15.2 R16.1 U6.6
Net-(U7-ILIM): R11.1 U7.5
Net-(U7-SET): R12.1 U7.7
Net-(U8-ILIM): R17.1 U8.5
Net-(U8-SET): R18.1 U8.7
Net-(U9-ILIM): R20.1 U9.5
Net-(U9-SET): R21.1 U9.7
Net-(U10-ILIM): R23.1 U10.5
Net-(U10-SET): R24.1 U10.7
Net-(U11-EN/UV): R29.2 R30.1 U11.17
Net-(U11-FB): C52.2 R34.2 R35.1 U11.24
Net-(U11-INTVCC): C51.1 R31.2 R33.1 U11.2
Net-(U11-RT): R26.1 U11.18
Net-(U11-SYNC/MODE): R32.1 R33.2 U11.20
Net-(U11-TR/SS): C46.1 U11.21
Net-(U11-VC): C48.1 R28.1 U11.22
Net-(U12-ADR0): R48.2 U12.13
Net-(U13-ADR1): R49.2 U13.14
Net-(U13-V1): R36.2 R37.1 U13.1
Net-(U13-V2): R38.2 R39.1 U13.2
Net-(U13-V3): R40.2 R41.1 U13.3
Net-(U13-V4): R42.2 R43.1 U13.4
Net-(U13-V5): R44.2 R45.1 U13.5
Net-(U13-V6): R46.2 R47.1 U13.6
Net-(U19-ADJ): R50.2 R51.1 U19.5
Net-(U21-+): R55.2 U21.4
Net-(U21--): R52.2 U21.3
Net-(U22-+): R54.2 U22.4
Net-(U22--): R57.2 U22.3
Net-(U23-Ain): R60.2 R64.1 U23.3
Net-(U23-Bin): R61.2 R65.1 U23.5
Net-(U23-Cin): R62.2 R66.1 U23.7
Net-(U23-Din): R63.2 R67.1 U23.9

Pads without a net: J1 A6 B2 B3 B6 C5 D5 D7 D8; J2 A6 B2 B3 B6 C5 D5 D7 D8; J3 A2 A4 A6 A8 A10 B2 B4 B6 B8; J8 2 6 13 15 19 26 27; J11 2 6 13 15 19 26 27; J14 2 6 13 15 19 26 27; J17 2 6 13 15 19 26 27; U7 4; U8 4; U9 4; U10 4; U11 4 7 15 19; U12 1 2 12; U13 7 8 12; U14 12; U15 9; U16 9; U17 9; U18 9; U23 12 13 15 16

## Via types
v1: diameter 0.6, hole 0.3, Top to Bottom, 963 vias
v2: diameter 1, hole 0.5, Top to Bottom, 69 vias

## Routing (per net, layer and track width the routed paths; a pad name or vN(x,y) marks a point on that pad's centre or on a via; arc(x,y) is an arc through that point)
+1.8V: length 89.5
  Top w0.15: v1(193.79,45.41) 196.03,47.65 205.75,47.65 212.85,54.75 212.85,77.88 216.22,81.25 U12.8 ; R22.2 196.26,44.19 196.64,43.81 196.64,42.71 197.63,41.71 U9.9
  Top w0.3: 157.9,47.85 157.9,46.2 v1(157.9,46.2) ; 112.95,47.85 112.95,46.2 v1(112.95,46.2) ; v1(67.1,49.9) J10.8 ; J6.10 22.9,46.15 v1(22.9,46.15) ; v1(67.9,46.25) 67.9,46.25 67.9,47.9 ; v1(112.15,49.85) 112.15,47.75 ; 66.3,47.9 v1(66.3,45.8) ; v1(157.1,49.85) 157.1,47.75 ; v1(22.1,49.8) 22.1,47.7 ; 111.35,47.85 v1(111.35,45.75) ; J6.6 v1(21.3,45.7) ; 156.3,47.85 v1(156.3,45.75)
  Top w1: 194.59,45.41 v1(194.6,45.41) v1(195.44,45.41) ; 194.59,45.41 R22.2 ; 194.59,45.41 v1(193.79,45.41)
  Bottom w0.2: v1(193.79,45.41) 191.89,45.41 TP6.1
+2.5V: length 79.5
  Top w0.15: 194.5,58.81 196.39,60.7 208.1,60.7 211.85,64.45 211.85,77.87 216.23,82.25 U12.6 ; U10.9 197.55,55.12 196.55,56.11 196.55,57.21 196.17,57.59 R25.2
  Top w0.3: v1(176.25,49.8) 176.25,47.7 ; 87.1,47.85 v1(87.1,45.75) ; v1(86.25,49.85) 86.25,47.75 ; v1(132.95,49.6) 132.95,47.5 ; v1(87.9,49.65) 87.9,47.55 ; v1(131.3,49.8) 131.3,47.7 ; 42.1,47.75 v1(42.1,45.65) ; J16.58 v1(177.1,45.7) ; v1(42.9,49.55) 42.9,47.45 ; 132.15,47.8 v1(132.15,45.7) ; v1(177.9,49.6) 177.9,47.5 ; v1(41.25,49.75) 41.25,47.65
  Top w1: R25.2 v1(194.5,58.8) 194.5,58.81 ; 194.5,58.81 v1(195.35,58.81) ; 194.5,58.81 v1(193.7,58.81)
  Bottom w0.2: TP7.1 191.49,58.81 v1(193.7,58.81)
+3.3V: length 77.2
  Top w0.15: U8.9 197.54,69.22 196.54,70.21 196.54,71.31 196.16,71.69 R19.2 ; U12.4 213.45,83.25 206.2,76 197.57,76 v2(194.49,72.92)
  Top w0.2: R49.1 224.81,92.69 v1(224.6,92.9)
  Top w0.3: v1(28.45,49.65) 28.45,47.55 ; 29.3,47.6 v1(29.3,45.5) ; R48.1 v1(226.3,83.1) 226.4,83.1 ; U14.16 221.48,101.48 v1(221.5,101.5) ; 221.5,84.8 221.5,85.53 ; 204.7,18 v1(204.75,17.95) 204.88,17.82 U23.1 ; 117.75,47.85 v1(117.75,45.75) ; 221.5,92.8 221.5,93.53 ; J6.22 v1(27.7,45.7) ; 119.35,47.65 v1(119.35,45.55) ; 162.7,47.85 v1(162.7,45.75) ; v1(163.45,49.7) 163.45,47.6 ; 74.3,47.7 v1(74.3,45.6) ; 72.7,47.9 v1(72.7,45.8) ; R69.1 v1(221.9,78.7) ; R68.1 v1(221.9,77.3) ; 164.3,47.65 v1(164.3,45.55) ; v1(118.5,49.7) 118.5,47.6 ; v1(73.45,49.75) 73.45,47.65
  Top w1: v2(194.49,72.92) v2(195.34,72.92) ; v2(194.49,72.92) v2(193.69,72.92) ; v2(194.49,72.92) R19.2
  Bottom w0.2: TP5.1 190.88,72.92 v2(193.69,72.92)
  Bottom w0.3: C75.1 204.7,18.78 204.7,18 ; C57.1 221.5,102.46 v1(221.5,101.5) ; v1(221.52,85.55) 221.52,86.51 ; v1(221.52,93.55) 221.52,94.51
+5.0V: length 49.8
  Top w0.2: U11.1 224.69,53.61 v1(224.05,54.25) v1(223.5,54.8) 223.3,55 R34.1 223.3,57.65 C52.1
  Top w0.3: 82.35,47.7 v1(82.35,45.6) ; v1(126.55,49.7) 126.55,47.6 ; L4.2 207.52,44.03 v1(207.5,44.05) ; L4.2 v1(208.55,43.01) ; L4.2 207.52,41.38 C34.1 208.74,41.26 v1(208.75,41.25) ; 207.43,71.47 207.43,70.51 208.69,70.51 ; v1(171.5,49.7) 171.5,47.6 ; 80.75,47.65 v1(80.75,45.55) ; v1(205.4,110.28) 204.73,110.28 204.5,110.5 204.49,110.49 U4.5 ; C28.1 207.42,68.88 L3.2 ; L5.2 208.69,56.41 v1(208.7,56.4) ; L5.2 207.43,57.37 v1(207.4,57.4) ; L5.2 207.43,54.78 C40.1 208.56,54.66 v1(208.6,54.7) ; C52.1 v1(222.15,57.7) ; 35.75,47.55 v1(35.75,45.45) ; 127.4,47.65 v1(127.4,45.55) ; 172.35,47.65 v1(172.35,45.55) ; U21.5 v1(204.4,159.2) ; 125.8,47.6 v1(125.8,45.5) ; 37.35,47.6 v1(37.35,45.5) ; v1(36.5,49.65) 36.5,47.55 ; 170.75,47.6 v1(170.75,45.5) ; v1(81.5,49.75) 81.5,47.65
  Bottom w0.2: C73.1 204.44,159.24 v1(204.4,159.2)
  Bottom w0.3: v1(205.4,110.28) 205.4,110.93 C14.1
  vias: v1(201.3,78) v1(202.3,78) v1(203.3,78) v1(204.3,78) v1(205.3,78) v1(206.3,78) v1(207.4,71.5) v1(208.7,70.5) v1(209.3,78) v1(222,36.8) v1(222.85,36.8) v1(223.7,36.8) v1(224.95,36.8) v1(225.8,36.8) v1(226.65,36.8) v1(227.95,36.8) v1(228.8,36.8) v1(229.65,36.8) v1(230.95,36.8) v1(231.8,36.8) v1(232.65,36.8)
